# Altium PCB spin5v1_simple.PcbDoc (part 16 of 25) (continued)
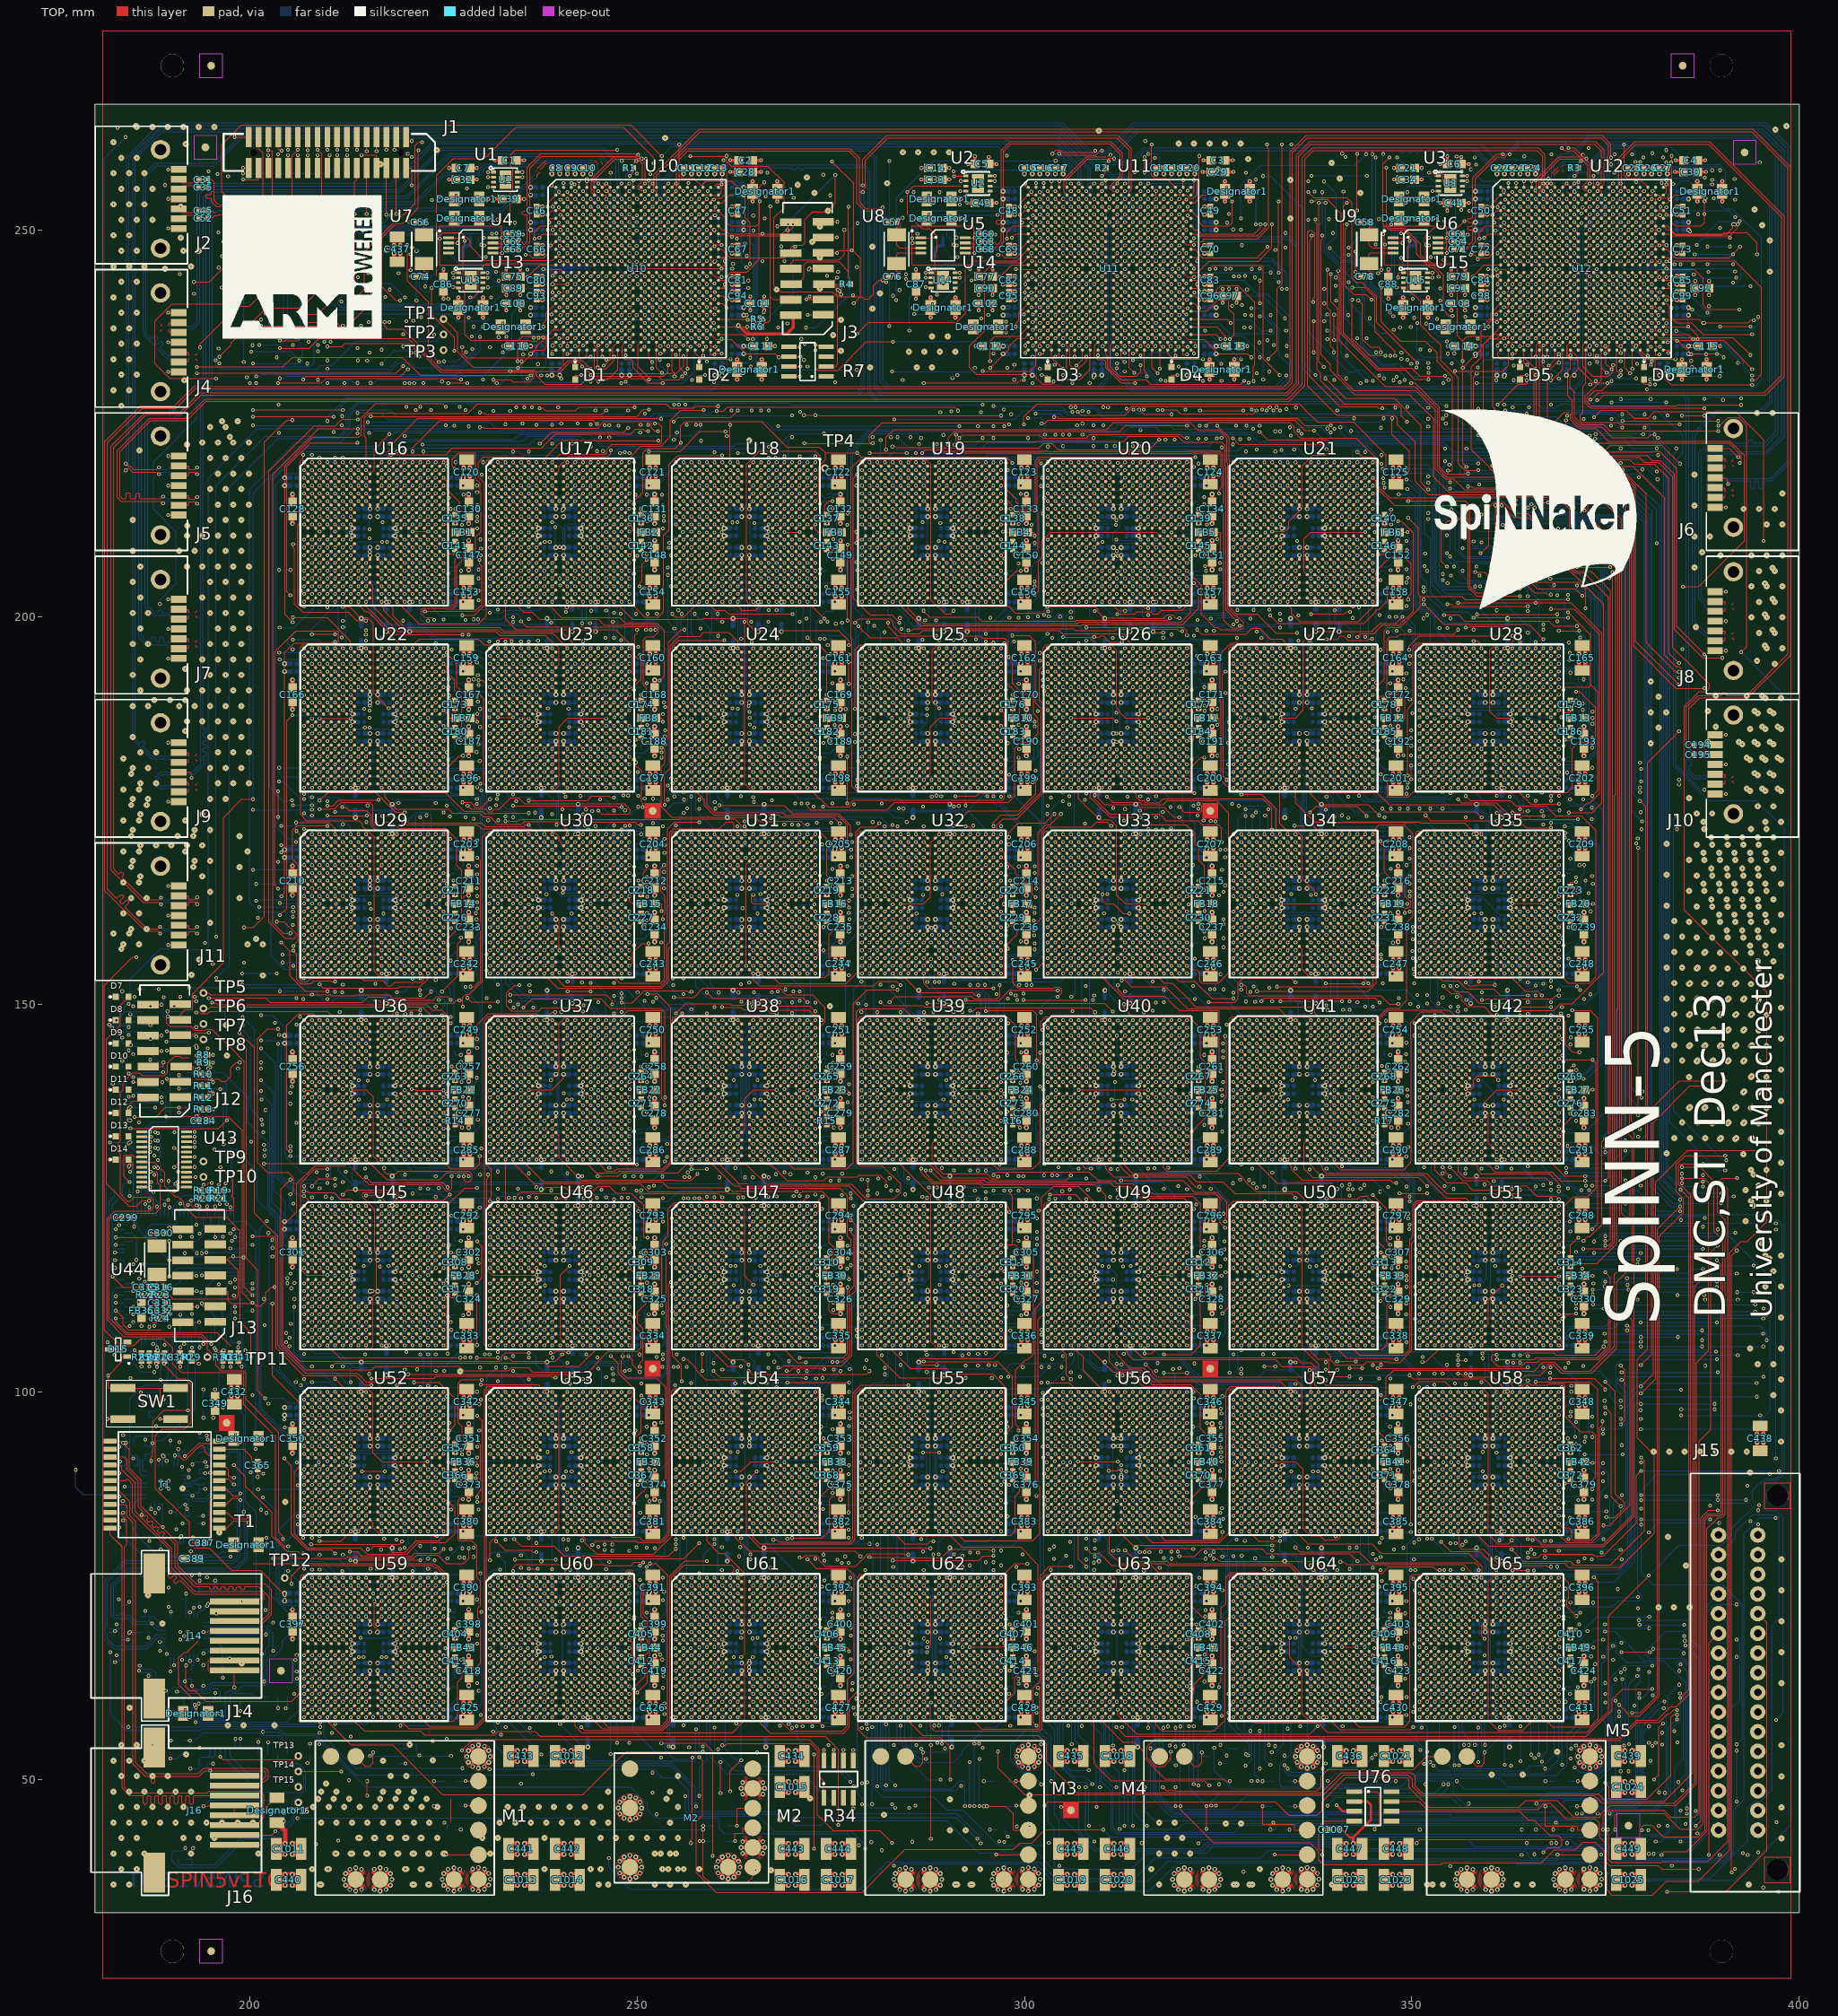
[diagram p0: TOP view]
## Nets (pads, with @x,y where several pads share a name; then routed paths per layer and width w, separated by ;. In a path a pad name is that pad's centre, name@x,y a point inside that pad or via, vN(x,y) a via of type N, cw(c..) or ccw(c..) an arc to the next point about the centre after c; other vN are vias at no path point) (continued)
  other v1: 217,194 253,240
S42_L3<4>: U10.T15 U22.D10
  other v1: 217,193 245,230.43 254,240
S42_L3<5>: U10.U14 U22.A11 | length 10.7
  BOTTOM w0.127: v1(219,211.069) 219.432,211.501 219.432,220.832 v1(220,221.4)
  other v1: 218,196 250.465,224.846 253,239
S42_L3<6>: U10.U15 U22.B11
  other v1: 218,195 254,239
S42_L3<7>: U10.V15 U22.C11
  other v1: 218,194 228.9,237.5 254,238
S42_L3<8>: U10.W14 U22.D9
  other v1: 215,193 253,237
S42_L3<9>: U10.W15 U22.A8
  other v1: 214,196 220.607,230.23 213.867,234.747 254,237
S42_L3<10>: U10.Y14 U22.B8
  other v1: 214,195 220,223.4 215.467,234.153 253,236
S42_L3<11>: U10.Y15 U22.C8 | length 48.1
  BOTTOM w0.127: v1(210,225.328) 210,225.812 212.54,228.352 255.294,228.352 v1(256.201,227.445)
  other v1: 214,194 254,236 215.339,238.087
S42_L3<12>: U10.AA14 U22.D8
  other v1: 214,193 253,235 214.339,237.622 249.931,244
S42_L3<13>: U10.AB14 U22.A9
  other v1: 215,196
S42_L3<14>: U10.AB15 U22.B9
  other v1: 220,187.066 215,195
S42_L3<15>: U10.AB16 U22.C9 | length 2.5
  TOP w0.127: v1(225.606,230.23) v1(228.067,230.23)
  other v1: 215,194
S43_L0<0>: U16.R11 U23.D11 | length 13.1
  BOTTOM w0.127: v1(229.322,194.138) 230.029,193.431 241.178,193.431 241.609,193 v1(242,193)
  other v1: 218,205
S43_L0<1>: U16.V10 U23.A10 | length 27
  TOP w0.127: 217,202 217,201.473 217.263,201.21 217.263,200.906 219.74,198.429 231.985,198.429 232.492,197.922 239.078,197.922 241,196
S43_L0<2>: U16.U10 U23.B10
  other v1: 241,195 217,203
S43_L0<3>: U16.T10 U23.C10 | length 34.9
  BOTTOM w0.127: v1(217,204) 217.432,203.568 217.432,202.939 217.94,202.431 224.232,202.431 224.431,202.232 224.431,201.904 225.32,201.015 231.171,201.015 231.633,200.553 232.508,200.553 232.862,200.907 237.299,200.907 237.795,201.403 238.332,201.403 239.348,200.387 239.348,199.035 241.952,196.431 242.228,196.431 242.482,196.177 242.482,193.873 242.178,193.569 241.822,193.569 241.391,194 v1(241,194)
S43_L0<4>: U16.R10 U23.D10 | length 11.8
  BOTTOM w0.127: v1(229.44,192.535) 240.535,192.535 v1(241,193)
  other v1: 224,196.607 217,205
S43_L0<5>: U16.V11 U23.A11 | length 27.5
  TOP w0.127: 218,202 218,201.608 218.496,201.112 218.496,200.208 220.02,198.684 232.238,198.684 232.746,198.176 240.234,198.176 241.504,196.906 241.504,196.888 242,196.392 v1(242,196)
  other v1: 239,196
S43_L0<6>: U16.U11 U23.B11
  other v1: 242,195 218,203
S43_L0<7>: U16.T11 U23.C11 | length 13
  BOTTOM w0.127: v1(229.322,194.873) 229.753,194.873 230.057,194.569 241.431,194.569 v1(242,194)
  other v1: 218,204
S43_L0<8>: U16.R9 U23.D9 | length 28.6
  BOTTOM w0.127: 215,205 215.431,205 216.447,203.984 216.447,201.887 216.765,201.569 221.462,201.569 221.716,201.315 221.742,201.315 221.996,201.061 221.996,199.755 222.123,199.628 222.168,199.628 222.838,198.958 235.997,198.958 236.159,199.12 238.74,199.12 v1(238.917,199.297)
  other v1: 239,193
S43_L0<9>: U16.V8 U23.A8 | length 27.3
  TOP w0.127: 214,202 214,201.608 214.496,201.112 214.496,201.099 214.893,200.702 215.231,200.702 216.501,199.432 216.501,199.391 219.295,196.597 221.259,196.597 221.878,197.216 229.51,197.216 230.295,196.431 237.569,196.431 v1(238,196)
  other v1: 239,194 241,196
S43_L0<10>: U16.U8 U23.B8 | length 33.1
  BOTTOM w0.127: v1(214,203) 214.569,202.431 215.24,202.431 215.685,201.986 215.685,198.597 v1(217,197.282) ; v1(221,187) 220.569,187.431 220.569,194.185 220.95,194.566 226.153,194.566 227.326,195.739 229.504,195.739 229.812,195.431 237.569,195.431 v1(238,195)
S43_L0<11>: U16.T8 U23.C8
  other v1: 238,194 228.865,199.733 229.072,203.002 214,204
S43_L0<12>: U16.R8 U23.D8
  other v1: 238,193 214,205
S43_L0<13>: U16.V9 U23.A9 | length 29.3
  TOP w0.127: v1(215,202) 215,201.401 215.445,200.956 215.485,200.956 216.755,199.686 216.755,199.649 218.66,197.744 v1(227.455,197.744)
  BOTTOM w0.127: v1(227.455,197.744) 228.14,198.429 236.367,198.429 236.804,198.866 238.682,198.866 239,198.548 239,196
  other v1: 218,202 221,202 215,205
S43_L0<14>: U16.U9 U23.B9
  other v1: 239,195 232,200.984 215,203
S43_L0<15>: U16.T9 U23.C9 | length 32.2
  TOP w0.127: U16.T9@215.5,204.5 215.891,204.109 215.891,201.409 216.09,201.21 216.12,201.21 217.009,200.321 217.009,200.271 219.105,198.175 231.748,198.175 232.255,197.668 238.176,197.668 239.891,195.953 239.891,193.891 U23.C9@239.5,193.5
S43_L1<0>: U16.V16 U17.D7 | length 10.1
  TOP w0.127: v1(223,202) 223.496,201.504 226.232,201.504 226.486,201.758 226.486,207.418 v1(226.935,207.867)
  other v1: 237,217
S43_L1<1>: U16.V14 U17.A6 | length 36.4
  TOP w0.127: v1(227.455,200.252) 228.945,200.252 230.279,201.586 230.279,217.367 229.707,217.939 229.685,217.939 229.486,218.138 229.486,219.986 230.185,220.685 235.315,220.685 v1(236,220)
  BOTTOM w0.127: 221,202 221.391,202 221.822,201.569 223.22,201.569 224.537,200.252 v1(227.455,200.252)
  other v1: 234,202
S43_L1<2>: U16.U14 U17.B6
  other v1: 221,203 233,211.069 236,219
S43_L1<3>: U16.T14 U17.C6
  other v1: 221,204 236,218
S43_L1<4>: U16.R14 U17.D6 | length 33.2
  BOTTOM w0.127: v1(221,205) 221.432,205.432 221.432,212.05 221.813,212.431 223.05,212.431 223.431,212.812 223.431,220.05 223.812,220.431 231.232,220.431 231.431,220.232 231.431,216.95 231.812,216.569 235.569,216.569 v1(236,217)
S43_L1<5>: U16.V15 U17.A7 | length 15.2
  BOTTOM w0.127: v1(222.4,221.4) 233.339,221.4 233.799,220.94 234.127,220.94 234.38,220.687 236.313,220.687 v1(237,220)
  other v1: 222,202
S43_L1<6>: U16.U15 U17.B7 | length 29.2
  BOTTOM w0.127: v1(222,203) 222.566,203.566 226.192,203.566 227.057,204.431 231.05,204.431 231.431,204.812 231.431,215.055 231.876,215.5 236.113,215.5 236.431,215.818 236.431,218.431 v1(237,219)
S43_L1<7>: U16.T15 U17.C7
  other v1: 222,204 237,218
S43_L1<8>: U16.R13 U17.D5
  other v1: 220,205 225.69,215.4 235,217
S43_L1<9>: U16.V12 U17.A3 | length 35.9
  TOP w0.127: v1(219,202) 221.866,199.134 229.524,199.134 230.54,200.15 230.54,220.177 230.794,220.431 232.569,220.431 v1(233,220)
S43_L1<10>: U16.U12 U17.A4 | length 32.6
  BOTTOM w0.127: v1(219,203) 219.431,203.431 220.05,203.431 220.431,203.812 220.431,220.05 221.32,220.939 233.188,220.939 233.441,220.686 233.746,220.686 234,220.432 v1(234,220)
S43_L1<11>: U16.T12 U17.B4
  other v1: 219,204 234,219
S43_L1<12>: U16.R12 U17.C4
  other v1: 219,205 229.317,217 234,218
S43_L1<13>: U16.V13 U17.A5
  other v1: 230.971,200.584 220,202 235,220
S43_L1<14>: U16.U13 U17.B5 | length 11.5
  BOTTOM w0.127: v1(229.502,203.433) 233.061,203.433 233.569,203.941 233.569,210.451 v1(234.049,210.931)
  other v1: 220,203 235,219
S43_L1<15>: U16.T13 U17.C5
  other v1: 220,204 235,218
S43_L2<0>: U10.M17 U16.R16
  other v1: 223,205 256,244 215.279,244.422 219.18,244.422 251.715,257.228
S43_L2<1>: U10.M18 U16.N15
  other v1: 222,207 227.093,227.159 221.1,238.287 257,244
S43_L2<2>: U10.M19 U16.N16
  other v1: 223,207 223.4,226.759 227.83,226.759 258,244
S43_L2<3>: U10.N19 U16.N17 | length 17.8
  BOTTOM w0.127: v1(231.43,226.632) 231.861,226.201 248.325,226.201 v1(248.833,226.709)
  other v1: 224,207 258,243
S43_L2<4>: U10.N20 U16.N18 | length 49.9
  BOTTOM w0.127: v1(215.479,243.1) 218.207,243.1 v1(220.007,241.3) ; v1(225,207) 225.496,206.504 226.985,206.504 227.62,207.139 227.62,210.741 228.746,211.867 228.746,217.61 228.896,217.76 228.896,219.492 228.388,220 v1(226.589,220) ; v1(246.573,257.369) 246.573,256.938 246.569,256.934 246.569,250.812 246.95,250.431 258.232,250.431 258.431,250.232 258.431,243.569 v1(259,243)
S43_L2<5>: U10.N22 U16.P16
  other v1: 223,206 231.142,241.3 249.931,251
S43_L2<6>: U10.P20 U16.P17 | length 22.2
  TOP w0.127: v1(220.321,248.058) 220.321,247.627 220.319,247.625 220.319,243.385 223.047,240.657 223.047,234.301 v1(224.399,232.949)
  BOTTOM w0.127: v1(224,206) 224.432,206.432 224.432,210.568 v1(224,211)
  other v1: 259,242 249.967,251.901
S43_L2<7>: U10.P21 U16.P18 | length 11.1
  BOTTOM w0.127: 260,242 261.215,242 261.612,241.603 261.612,238.424 263.708,236.328 263.742,236.328 264.631,235.439 v1(264.631,233.5)
  other v1: 250.928,203.775 225,206
S43_L2<8>: U10.P22 U16.V18 | length 26.2
  TOP w0.127: v1(221,211.069) v1(223,211.069) ; U10.P22@260.5,242.5 260.951,242.5 261.586,243.135 261.586,244.058 262.094,244.566 264.178,244.566 265.766,246.154 265.766,255.507 v1(266.4,256.141)
  BOTTOM w0.127: v1(200.163,234.283) 205.217,234.283 v1(206.347,233.153)
  other v1: 225,202
S43_L2<9>: U10.R20 U16.R17
  other v1: 224,205 259,241
S43_L2<10>: U10.R22 U16.R18 | length 35
  TOP w0.127: v1(238.4,231.231) 239.67,231.231 240.75,232.311 240.75,232.344 241.322,232.916 242.499,232.916 243.198,232.217 243.198,232.195 244.278,231.115 252.755,231.115 253.186,230.684 255.369,230.684 v1(255.8,231.115)
  BOTTOM w0.127: v1(255.8,231.115) 255.8,231.546 255.569,231.777 255.569,241.182 255.887,241.5 261.067,241.5
  other v1: 225,205 231.868,230.23
S43_L2<11>: U10.T20 U16.T16 | length 21.8
  BOTTOM w0.127: v1(229.514,206.158) 230.533,207.177 230.533,219.145 230.109,219.569 v1(230.109,220) ; v1(259,232.987) 259.432,233.419 259.432,239.568 v1(259,240)
  other v1: 223,204 239,224.85 251.014,226.308
S43_L2<12>: U10.T21 U16.T17 | length 24.3
  TOP w0.127: v1(229.7,224.516) 230.131,224.516 230.228,224.419 244.913,224.419 245.231,224.737 245.231,224.88 245.628,225.277 251.646,225.277 251.845,225.078 251.845,224.443 252.242,224.046 v1(252.678,224.046)
  other v1: 224,204 260.068,239.907
S43_L2<13>: U10.T22 U16.T18 | length 41.6
  TOP w0.127: v1(251.519,221.392) 255.527,221.392 258.122,223.987 v1(261.394,223.987)
  BOTTOM w0.127: v1(225,204) 225.775,204 226.46,204.685 227.603,204.685 228.746,205.828 228.746,207.435 229.318,208.007 v1(229.797,208.007) ; v1(239,222.4) 239.431,222.831 241.832,222.831 242.031,222.632 242.031,221.4 241.569,220.938 241.569,216.768 241.768,216.569 243.232,216.569 243.431,216.768 243.431,220.05 244.066,220.685 250.812,220.685 v1(251.519,221.392)
S43_L2<14>: U10.U20 U16.U17
  other v1: 224,203 259,239
S43_L2<15>: U10.U22 U16.U18 | length 12.1
  BOTTOM w0.127: v1(225,203) 225.431,202.569 225.431,201.812 225.828,201.415 235.526,201.415 235.569,201.372 v1(236,201.372)
  other v1: 243.917,199.255
S43_L3<0>: U10.P18 U16.D11 | length 35.2
  BOTTOM w0.127: v1(215.4,223.789) 215.831,223.789 216.127,224.085 232.418,224.085 232.434,224.101 247.212,224.101 247.466,223.847 v1(250.407,223.847)
  other v1: 218,217 257,242
S43_L3<1>: U10.P19 U16.A10
  other v1: 217,220 208.8,235.149 205.547,235.17 258,242 220.897,259.4
S43_L3<2>: U10.R19 U16.B10
  other v1: 217,219 244,224.9 249.931,239 258,241
S43_L3<3>: U10.T18 U16.C10
  other v1: 217,218 241.6,222.4 257,240
S43_L3<4>: U10.T19 U16.D10 | length 45.9
  BOTTOM w0.127: v1(211.901,225.971) 211.569,226.303 211.569,226.955 212.712,228.098 255.176,228.098 255.375,227.899 v1(255.375,227.445)
  other v1: 217,217 258,240
S43_L3<5>: U10.U19 U16.A11
  other v1: 218,220 246.4,224.801 255,233.873 258,239
S43_L3<6>: U10.V19 U16.B11 | length 51.5
  TOP w0.127: v1(217.393,238.087) 217.393,237.631 217.79,237.234 219.746,237.234 222.54,234.44 222.54,234.138 224.763,231.915 236.631,231.915 236.949,231.597 236.949,231.227 238.092,230.084 242.81,230.084 243.587,230.861 250.915,230.861 251.092,230.684 v1(251.523,230.684)
  BOTTOM w0.127: v1(251.523,230.684) 255.986,230.684 256.431,231.129 256.431,237.05 256.812,237.431 257.431,237.431 258,238
  other v1: 218,219
S43_L3<7>: U10.V21 U16.C11 | length 46.6
  TOP w0.127: v1(225.431,219.5) 225.431,220.232 225.232,220.431 218.086,220.431 217.768,220.749 217.768,221.322 218.431,221.985 218.431,222.446 221.67,225.685 252.585,225.685 252.647,225.623 v1(253.078,225.623)
  other v1: 218,218 259.901,238
S43_L3<8>: U10.V22 U16.D9 | length 12.3
  TOP w0.127: v1(237.429,222.4) 238.914,223.885 248.272,223.885 v1(248.833,224.446)
  other v1: 215,217 237.6,231.231
S43_L3<9>: U10.W18 U16.A8 | length 39.3
  TOP w0.127: v1(218.199,220.969) 225.299,220.969 226.161,221.831 237.661,221.831 237.86,222.03 237.86,222.043 239.448,223.631 249.194,223.631 249.841,224.278 250.751,224.278 250.983,224.046 v1(251.414,224.046)
  BOTTOM w0.127: v1(214,220) 214.969,220.969 v1(218.199,220.969)
  other v1: 257,237
S43_L3<10>: U10.W20 U16.B8 | length 33.1
  BOTTOM w0.127: v1(235.834,230.799) 236.504,230.799 236.949,231.244 236.949,231.261 238.258,232.57 238.258,233.923 238.766,234.431 248.042,234.431 250.074,232.399 250.074,231.523 251.344,230.253 255.97,230.253 257.431,231.714 257.431,236.05 257.812,236.431 258.431,236.431 259,237
  other v1: 214,219
S43_L3<11>: U10.W22 U16.C8
  other v1: 214,218 264.934,235.918
S43_L3<12>: U10.Y18 U16.D8
  other v1: 214,217 257,236
S43_L3<13>: U10.Y21 U16.A9 | length 52.6
  TOP w0.127: v1(215,220) 215,223.124 214.769,223.355 214.769,225.735 215.404,226.37 218.55,226.37 218.592,226.328 228.167,226.328 229.372,227.533 253.755,227.533 254.274,227.014 257.282,227.014 257.506,227.238 v1(260.465,227.238)
S43_L3<14>: U10.Y22 U16.B9 | length 47.5
  TOP w0.127: U16.B9@215.5,218.5 216.031,219.031 216.031,221.685 v1(218,223.654)
  BOTTOM w0.127: v1(218,223.654) 218.431,223.654 218.608,223.831 233.425,223.831 233.441,223.847 246.87,223.847 247.301,223.416 257.247,223.416 258.2,224.369 v1(258.2,224.847)
  other v1: 215,219 264.327,235.918 261.555,239.931 261.566,240.968 260.034,242
S43_L3<15>: U10.AB19 U16.C9 | length 56.5
  TOP w0.127: v1(215.6,225.939) 249.908,225.939 250.792,226.823 v1(251.532,226.823)
  BOTTOM w0.127: v1(262.065,233.317) 262.513,232.869 264.65,232.869 265.285,233.504 265.285,249.183 265.001,249.467 v1(265.001,249.898)
  other v1: 215,218 262.065,233.317
S44_L0<0>: U17.R11 U25.D11
  other v1: 290,193 259,200.476 246,200.862 242,205
S44_L0<1>: U17.V10 U25.A10
  other v1: 289,196 285,197 286.865,197.093 268.001,200.907 241,202 282.931,210.931
S44_L0<2>: U17.U10 U25.B10
  other v1: 289,195 241,203
S44_L0<3>: U17.T10 U25.C10 | length 39.2
  TOP w0.127: v1(240.9,201.304) 241.696,201.304 241.795,201.403 247.751,201.403 249.407,199.747 258.459,199.747 258.556,199.844 264.094,199.844 264.293,199.645 264.293,199.186 265.182,198.297 275.993,198.297 277.327,196.963 v1(277.327,196.401)
  other v1: 289,194 241,204
S44_L0<4>: U17.R10 U25.D10
  other v1: 289,193 274.928,195.215 260.401,200.432 241,205
S44_L0<5>: U17.V11 U25.A11
  other v1: 290,196 274.586,199.403
S44_L0<6>: U17.U11 U25.B11
  other v1: 290,195 247.862,200.461 242,203
S44_L0<7>: U17.T11 U25.C11
  other v1: 290,194 250.128,196.17 274.607,196.4 242,204
S44_L0<8>: U17.R9 U25.D9
  other v1: 287,193 273.724,199.403 239,205
S44_L0<9>: U17.V8 U25.A8
  other v1: 286,196 252.545,200.461 238,202
S44_L0<10>: U17.U8 U25.B8 | length 3.8
  BOTTOM w0.127: v1(238,203) 238.569,202.431 239.221,202.431 240.11,201.542 240.11,201.387 v1(240.8,200.697)
  other v1: 286,195
S44_L0<11>: U17.T8 U25.C8
  other v1: 286,194 238,204
S44_L0<12>: U17.R8 U25.D8 | length 7.3
  BOTTOM w0.127: v1(253.961,205.468) 253.961,199.398 v1(254.801,198.558)
  other v1: 286,193 277.327,195.2 238,205
S44_L0<13>: U17.V9 U25.A9 | length 9.6
  TOP w0.127: v1(278.57,198.824) 280.054,197.34 283.561,197.34 284.47,196.431 286.569,196.431 v1(287,196)
  other v1: 239,202
S44_L0<14>: U17.U9 U25.B9
  other v1: 287,195 264.8,196.8 239,203
S44_L0<15>: U17.T9 U25.C9
  other v1: 287,194 271.862,199.832 251.345,200.432 244.062,200.842 239,204
S44_L1<0>: U17.V16 U18.D7
  other v1: 247,200.589 255.321,200.89 247,202 260,210.931 261,217
S44_L1<1>: U17.V14 U18.A6
  other v1: 245,202 260,220
S44_L1<2>: U17.U14 U18.B6
  other v1: 249.862,200.432 245,203 260,219
S44_L1<3>: U17.T14 U18.C6 | length 10.3
  BOTTOM w0.127: v1(255.902,211) 256.436,211.534 259.177,211.534 259.431,211.788 259.431,217.431 v1(260,218)
  other v1: 245,204
S44_L1<4>: U17.R14 U18.D6
  other v1: 245,205 260,217
S44_L1<5>: U17.V15 U18.A7 | length 12.5
  BOTTOM w0.127: v1(251.227,215.841) 251.227,216.272 251.311,216.356 251.311,216.466 252.01,217.165 252.07,217.165 253.15,218.245 253.15,218.781 254.801,220.432 260.568,220.432 v1(261,220)
  other v1: 246,202
S44_L1<6>: U17.U15 U18.B7
  other v1: 246,203 261,219
S44_L1<7>: U17.T15 U18.C7
  other v1: 246,204 261,218
S44_L1<8>: U17.R13 U18.D5
  other v1: 244,205 259,217
S44_L1<9>: U17.V12 U18.A3
  other v1: 243,202 257,220
S44_L1<10>: U17.U12 U18.A4
  other v1: 243,203 258,220
S44_L1<11>: U17.T12 U18.B4 | length 13.4
  BOTTOM w0.127: 243,204 242.431,204.569 242.431,207.232 242.232,207.431 240.789,207.431 240.689,207.531 240.689,211.669 241.086,212.066 242.461,212.066 242.561,211.966 242.561,211.815 242.879,211.497 243.569,211.497 v1(244,211.066)
  other v1: 258,219
S44_L1<12>: U17.R12 U18.C4
  other v1: 243,205 258,218
S44_L1<13>: U17.V13 U18.A5 | length 22.3
  BOTTOM w0.127: v1(244,202) 244.432,202.432 244.432,210.363 v1(245,210.931) ; v1(251.333,212.416) 251.333,212.847 251.414,212.847 251.668,213.101 251.668,216.085 252.24,216.657 252.261,216.657 253.404,217.8 253.404,218.034 254.801,219.431 258.431,219.431 v1(259,220)
S44_L1<14>: U17.U13 U18.B5
  other v1: 244,203 259,219
S44_L1<15>: U17.T13 U18.C5 | length 10.6
  BOTTOM w0.127: v1(253.432,212.431) 258.05,212.431 258.431,212.812 258.431,217.431 v1(259,218)
  other v1: 244,204 251.237,209.408
S44_L2<0>: U10.F18 U17.R16
  other v1: 247,205 240.2,230.799 257,251
S44_L2<1>: U10.F19 U17.N15 | length 22.8
  BOTTOM w0.127: v1(244.8,221.455) 245.231,221.024 246.886,221.024 247.685,221.823 266.386,221.823 266.57,222.007 v1(267.001,222.007)
  other v1: 246,207 258,251
S44_L2<2>: U10.F20 U17.N16
  other v1: 247,207 245.793,224.8 247.925,230.245 259,251
S44_L2<3>: U10.G19 U17.N17
  other v1: 248,207 248.4,221.296 258,250 266.483,251.465
S44_L2<4>: U10.G20 U17.N18 | length 12.3
  BOTTOM w0.127: v1(259,250) 259.432,249.568 259.432,243.004 259.94,242.496 v1(264.361,242.496)
  other v1: 249,207 260.901,210.965
S44_L2<5>: U10.G22 U17.P16
  other v1: 247,206 254.062,208.993 260,221.316 268.2,237.406
S44_L2<6>: U10.H16 U17.P17
  other v1: 248,206 255,249
S44_L2<7>: U10.H17 U17.P18
  other v1: 249,206 271.611,235.295 256,249
S44_L2<8>: U10.H18 U17.V18 | length 32.2
  TOP w0.127: v1(249,202) 250.999,200.001 252.721,200.001 253.42,200.7 253.42,210.543 254.117,211.24 254.117,219.742 255.26,220.885 v1(260.963,220.885)
  other v1: 257,249
S44_L2<9>: U10.H19 U17.R17 | length 8.9
  TOP w0.127: v1(254.731,225.246) 255.271,225.786 262.101,225.786 v1(263,226.685)
  other v1: 248,205 253.432,213.065 262.861,248.865 258,249
S44_L2<10>: U10.H20 U17.R18
  other v1: 249,205 258,210.931 257.593,224.846 259,249
S44_L2<11>: U10.H21 U17.T16
  other v1: 247,204 266.767,235.931
S44_L2<12>: U10.H22 U17.T17
  other v1: 248,204 254.361,208 254.738,222.913
S44_L2<13>: U10.J19 U17.T18 | length 17.8
  BOTTOM w0.127: v1(264.661,232.37) 265.539,233.248 265.539,248.84 v1(266.197,249.498)
  other v1: 258.2,198.558 249,204 258,248
S44_L2<14>: U10.J20 U17.U17
  other v1: 248,203 259,248
S44_L2<15>: U10.J22 U17.U18
  other v1: 249,203
S44_L3<0>: U10.J16 U17.D11 | length 49.7
  TOP w0.127: v1(219.4,240.9) 218.82,240.9 217.042,242.678 217.042,249.046 218.82,250.824 219.714,250.824 220.451,251.561 220.489,251.561 221.759,252.831 v1(221.759,260.282)
  BOTTOM w0.127: v1(222.3,222.284) 236.08,222.284 236.881,223.085 241.987,223.085 242.432,222.64 242.432,217.432 v1(242,217)
  other v1: 255,248
S44_L3<1>: U10.J17 U17.A10
  other v1: 241,220 236,221.4 237.872,236.138 256,248
S44_L3<2>: U10.K16 U17.B10 | length 8
  BOTTOM w0.127: v1(234,221.4) 234.786,221.4 235.245,220.941 239.12,220.941 240.263,219.798 240.263,219.737 v1(241,219)
  other v1: 255,247
S44_L3<3>: U10.K17 U17.C10
  other v1: 241,218 256,247
S44_L3<4>: U10.K18 U17.D10
  other v1: 241,217 250.069,243 257,247
S44_L3<5>: U10.K19 U17.A11 | length 20.7
  TOP w0.127: v1(242,220) 242.431,220.431 248.866,220.431 249.946,221.511 249.946,221.569 250.454,222.077 253.061,222.077 254.268,223.284 254.268,225.405 255.602,226.739 v1(258.6,226.739)
  other v1: 258,247
S44_L3<6>: U10.K20 U17.B11
  other v1: 242,219 259,247
S44_L3<7>: U10.K21 U17.C11 | length 3.2
  BOTTOM w0.127: v1(252.931,233.273) 252.931,232.576 254.392,231.115 v1(254.865,231.115)
  other v1: 242,218
S44_L3<8>: U10.K22 U17.D9 | length 14.1
  TOP w0.127: v1(248.965,245) 260.76,245 261.332,245.572 261.332,246.103 260.935,246.5 U10.K22@260.5,246.5
  other v1: 239,217 260.901,245 261.332,246
S44_L3<9>: U10.L17 U17.A8 | length 16.2
  TOP w0.127: v1(238,220) 238,220.431 238.116,220.547 238.116,220.608 240.339,222.831 244.654,222.831 244.716,222.769 252.276,222.769 252.307,222.8 v1(252.738,222.8)
  other v1: 256,246 263.923,248.258
S44_L3<10>: U10.L19 U17.B8 | length 8.4
  BOTTOM w0.127: v1(249.931,245.901) 250.362,245.901 250.694,245.569 257.569,245.569 v1(258,246)
  other v1: 238,219 235.434,227.102 235.842,244.865
S44_L3<11>: U10.L20 U17.C8 | length 30.5
  TOP w0.127: v1(227.744,248.569) 227.744,248.138 227.534,247.928 227.534,242.161 227.766,241.929 227.766,236.503 228.528,235.741 236.113,235.741 236.22,235.634 237.025,235.634 237.265,235.874 v1(237.265,236.065)
  BOTTOM w0.127: v1(239.099,250) 239.099,250.431 239.365,250.697 239.365,255.012 240.254,255.901 v1(241.931,255.901)
  other v1: 238,218 259,246 256.607,256.067
S44_L3<12>: U10.L22 U17.D8 | length 41.9
  TOP w0.127: v1(223.478,242.531) 223.478,239.033 225.066,237.445 225.072,237.445 226.406,236.111 v1(226.406,234.395)
  BOTTOM w0.127: v1(220.928,247.712) 221.677,247.712 221.931,247.458 221.931,242.523 222.439,242.015 222.962,242.015 v1(223.478,242.531) ; v1(249.961,257.273) 249.53,257.273 249.375,257.428 248.823,257.428 248.569,257.174 248.569,251.812 248.95,251.431 260.183,251.431 260.501,251.113 260.501,246.732 260.901,246.332 260.901,245.901
  other v1: 238,217 237.2,232.695
S44_L3<13>: U10.M20 U17.A9 | length 18.5
  TOP w0.127: v1(239,220) 240.024,221.024 245.832,221.024 246.031,221.223 246.031,221.632 246.73,222.331 252.915,222.331 253.169,222.585 253.169,224.579 252.724,225.024 v1(252.278,225.024)
  other v1: 259,244
S44_L3<14>: U10.M21 U17.B9 | length 11.7
  TOP w0.127: U17.B9@239.5,218.5 239.891,218.891 239.891,219.5 241.161,220.77 246.283,220.77 246.601,221.088 v1(246.601,221.554)
  BOTTOM w0.127: 260,244.066 260.931,244.997 v1(262.279,244.997)
  other v1: 239,219 255.146,223.847 260.913,243.931
S44_L3<15>: U10.M22 U17.C9
  other v1: 239,218
S45_L0<0>: U18.R11 U19.D11 | length 7.1
  BOTTOM w0.127: v1(290,217) 290.569,216.431 291.232,216.431 291.431,216.232 291.431,211.498 v1(291,211.067)
  other v1: 290,204 266,205 275.28,207.535 291,210 291,212
S45_L0<1>: U18.V10 U19.A10
  other v1: 265,202 289,220
S45_L0<2>: U18.U10 U19.B10
  other v1: 265,203 289,219
S45_L0<3>: U18.T10 U19.C10
  other v1: 265,204 289,218
S45_L0<4>: U18.R10 U19.D10 | length 18
  BOTTOM w0.127: v1(265,205) 265,205.391 264.569,205.822 264.569,220.21 264.966,220.607 v1(267,220.607)
  other v1: 265,207 265,215 289,217 289.542,223.539
S45_L0<5>: U18.V11 U19.A11 | length 30.9
  TOP w0.127: v1(266,202) 265.569,202 265.569,201.945 265.37,201.746 265.355,201.746 265.178,201.569 264.617,201.569 264.109,202.077 264.109,219.764 265.824,221.479 272.972,221.479 273.607,220.844 v1(273.607,220.4)
  other v1: 260,205 290,220
S45_L0<6>: U18.U11 U19.B11 | length 30.6
  BOTTOM w0.127: v1(265.145,212.172) 266.362,212.172 266.561,211.973 266.561,203.561 v1(266,203) ; v1(277.115,211.934) 277.598,212.417 277.598,221.464 279.821,223.687 286.106,223.687 v1(286.654,223.139)
  other v1: 267,210 268,211.069 267,212 290,219
S45_L0<7>: U18.T11 U19.C11
  other v1: 266,204 290,218
S45_L0<8>: U18.R9 U19.D9 | length 8.3
  BOTTOM w0.127: v1(284,210.931) 284.431,211.362 284.431,216.05 284.812,216.431 286.431,216.431 v1(287,217)
  other v1: 263,205 266.992,211.067
S45_L0<9>: U18.V8 U19.A8
  other v1: 262,202 262.928,212.258 286,220
S45_L0<10>: U18.U8 U19.B8
  other v1: 262,203 286,219
S45_L0<11>: U18.T8 U19.C8
  other v1: 262,204 281,210.931 285,211.069 286,218
S45_L0<12>: U18.R8 U19.D8
  other v1: 262,205 286,217 286.4,222.332
S45_L0<13>: U18.V9 U19.A9
  other v1: 263,202 262.295,212.242 287,220
S45_L0<14>: U18.U9 U19.B9
  other v1: 263,203 286.855,212.258 287,219
S45_L0<15>: U18.T9 U19.C9
  other v1: 263,204 287,218
S45_L1<0>: U11.F2 U18.V16 | length 17
  BOTTOM w0.127: v1(271.791,237.385) 273.111,237.385 277.429,241.703 277.429,249.823 v1(278.471,250.865)
  other v1: 271,202 300.901,250.966
S45_L1<1>: U11.F3 U18.V14
  other v1: 269,202 269.4,237.927 269.4,249.966 302,251
S45_L1<2>: U11.F5 U18.U14
  other v1: 269,203 274.398,203.933 304,251
S45_L1<3>: U11.G1 U18.T14
  other v1: 269,204 283.017,241.499 298.362,249
S45_L1<4>: U11.G3 U18.R14
  other v1: 269,205 273.638,206.238 284.694,243.663 302,250
S45_L1<5>: U11.G4 U18.V15 | length 21.6
  BOTTOM w0.127: v1(270,202) 269.568,202.432 269.568,222.824 v1(270,223.256)
  other v1: 303,250
S45_L1<6>: U11.G6 U18.U15
  other v1: 270,203 284.279,230.629 305,250
S45_L1<7>: U11.G7 U18.T15
  other v1: 270,204 271.541,233.21 306,250
S45_L1<8>: U11.H1 U18.R13
  other v1: 268,205 296.619,246.8
S45_L1<9>: U11.H2 U18.V12
  other v1: 267,202 294,224.684 290.7,230.885 300.931,248.901
S45_L1<10>: U11.H3 U18.U12 | length 26.6
  BOTTOM w0.127: v1(267,203) 267.431,203.431 268.05,203.431 268.431,203.812 268.431,222.34 269.828,223.737 v1(274.111,223.737)
  other v1: 302,249 286.195,249.517
S45_L1<11>: U11.H4 U18.T12 | length 21.6
  BOTTOM w0.127: v1(263,221.207) 267.034,221.207 267.431,220.81 267.431,204.822 267,204.391 v1(267,204)
  other v1: 268.6,247.867 303,249
S45_L1<12>: U11.H5 U18.R12
  other v1: 267,205 278.367,245.2 304,249
S45_L1<13>: U11.H6 U18.V13
  other v1: 268,202 269,220.807 269,246 305,249
S45_L1<14>: U11.H8 U18.U13 | length 30.3
  BOTTOM w0.127: v1(284.133,253.801) 284.763,254.431 294.625,254.431 295.76,255.566 301.986,255.566 302.431,255.121 302.431,248.95 302.812,248.569 306.569,248.569 v1(307,249)
  other v1: 268,203 275.944,244.57
S45_L1<15>: U11.J1 U18.T13 | length 30
  TOP w0.127: v1(278.367,236.597) 279.87,238.1 291.217,238.1 292.36,239.243 292.36,244.928 293.44,246.008 299.067,246.008 299.766,246.707 299.766,246.766 U11.J1@300.5,247.5
  other v1: 268,204 278.315,217
S45_L2<0>: U11.A2 U18.R16
  other v1: 271,205 275.544,230.332 301.5,256.067
S45_L2<1>: U11.A3 U18.N15 | length 12.6
  BOTTOM w0.127: v1(285.51,248.932) 285.51,249.455 287.987,251.932 v1(296.548,251.932)
  other v1: 270,207 302.5,256.067
S45_L2<2>: U11.A4 U18.N16 | length 14
  BOTTOM w0.127: v1(290.867,257.57) 291.298,257.57 291.464,257.736 303.246,257.736 303.5,257.482 v1(303.5,256.317)
  other v1: 271,207 271,220.807
S45_L2<3>: U11.A5 U18.N17
  other v1: 272,207 274.511,244.067 304.5,256.317
S45_L2<4>: U11.B1 U18.N18 | length 21.4
  BOTTOM w0.127: v1(284.71,244.27) 284.71,249.071 288.139,252.5 299.434,252.5 v1(299.434,252.998)
  other v1: 273,207
S45_L2<5>: U11.B2 U18.P16
  other v1: 271,206 272,232.37 274.944,254.465 300.901,254.931
S45_L2<6>: U11.B3 U18.P17
  other v1: 272,206 302,254.901
S45_L2<7>: U11.C1 U18.P18
  other v1: 273,206 300.099,252.998
S45_L2<8>: U11.D1 U18.V18
  other v1: 273,202 277.86,241.588 299.434,251.931
S45_L2<9>: U11.D2 U18.R17
  other v1: 272,205 285.572,239.938 300.901,252.931
S45_L2<10>: U11.D3 U18.R18
  other v1: 273,205 283.879,242.237 302,253
S45_L2<11>: U11.D4 U18.T16
  other v1: 271,204 271.034,226.523 303,253
S45_L2<12>: U11.E1 U18.T17 | length 21.3
  BOTTOM w0.127: v1(285.786,239.131) 287.851,239.131 292.36,243.64 292.36,243.67 293.186,244.496 297.403,244.496 299.689,246.782 v1(299.689,250.966)
  other v1: 272,204
S45_L2<13>: U11.E3 U18.T18 | length 45.3
  BOTTOM w0.127: v1(273,204) 273.431,204.431 275.349,204.431 277,206.082 277,208.113 277.852,208.965 277.852,221.351 279.757,223.256 v1(280.4,223.256) ; v1(288.7,241.625) 288.7,243.843 290.288,245.431 297.924,245.431 299.258,246.765 299.258,251.177 299.512,251.431 301.431,251.431 v1(302,252)
S45_L2<14>: U11.E4 U18.U17
  other v1: 272,203 303,252
S45_L2<15>: U11.F1 U18.U18 | length 20
  BOTTOM w0.127: v1(285.141,236.997) 285.141,241.176 287.359,243.394 287.446,243.394 287.699,243.647 287.699,243.734 289.65,245.685 294.574,245.685 v1(297.755,248.866)
  other v1: 273,203
S45_L3<0>: U10.A20 U18.D11 | length 16
  TOP w0.127: U10.A20@258.5,255.5 258.5,255.935 258.897,256.332 262.146,256.332 263.924,254.554 263.924,251.579 264.566,250.937 v1(264.566,245.605)
  other v1: 266,217
S45_L3<1>: U10.B20 U18.A10 | length 16
  BOTTOM w0.127: 259.099,255.068 259.363,255.332 261.219,255.332 261.953,256.066 263.461,256.066 263.561,255.966 263.561,249.331 263.492,249.262 263.492,245.812 v1(264.129,245.175)
  other v1: 265,220
S45_L3<2>: U10.B21 U18.B10 | length 7.2
  BOTTOM w0.127: 259.901,254.901 260.669,254.901 261.685,253.885 261.685,249.667 v1(262.254,249.098)
  other v1: 265,219
S45_L3<3>: U10.B22 U18.C10
  other v1: 265,218 264.8,226.685
S45_L3<4>: U10.C18 U18.D10
  other v1: 265,217 264.361,243.465 257,254
S45_L3<5>: U10.C19 U18.A11
  other v1: 266,220 266,226.685 258,254
S45_L3<6>: U10.C20 U18.B11
  other v1: 266,219 267,226.685 259,254
S45_L3<7>: U10.C22 U18.C11
  other v1: 266,218 266.197,246